# KiCad board ev17.kicad_pcb
title: Hactar PCB - Finn Berg, Brett Regnier; date: 2026-03-11; rev: EV17MK1; company: CISCO SYSTEMS INC
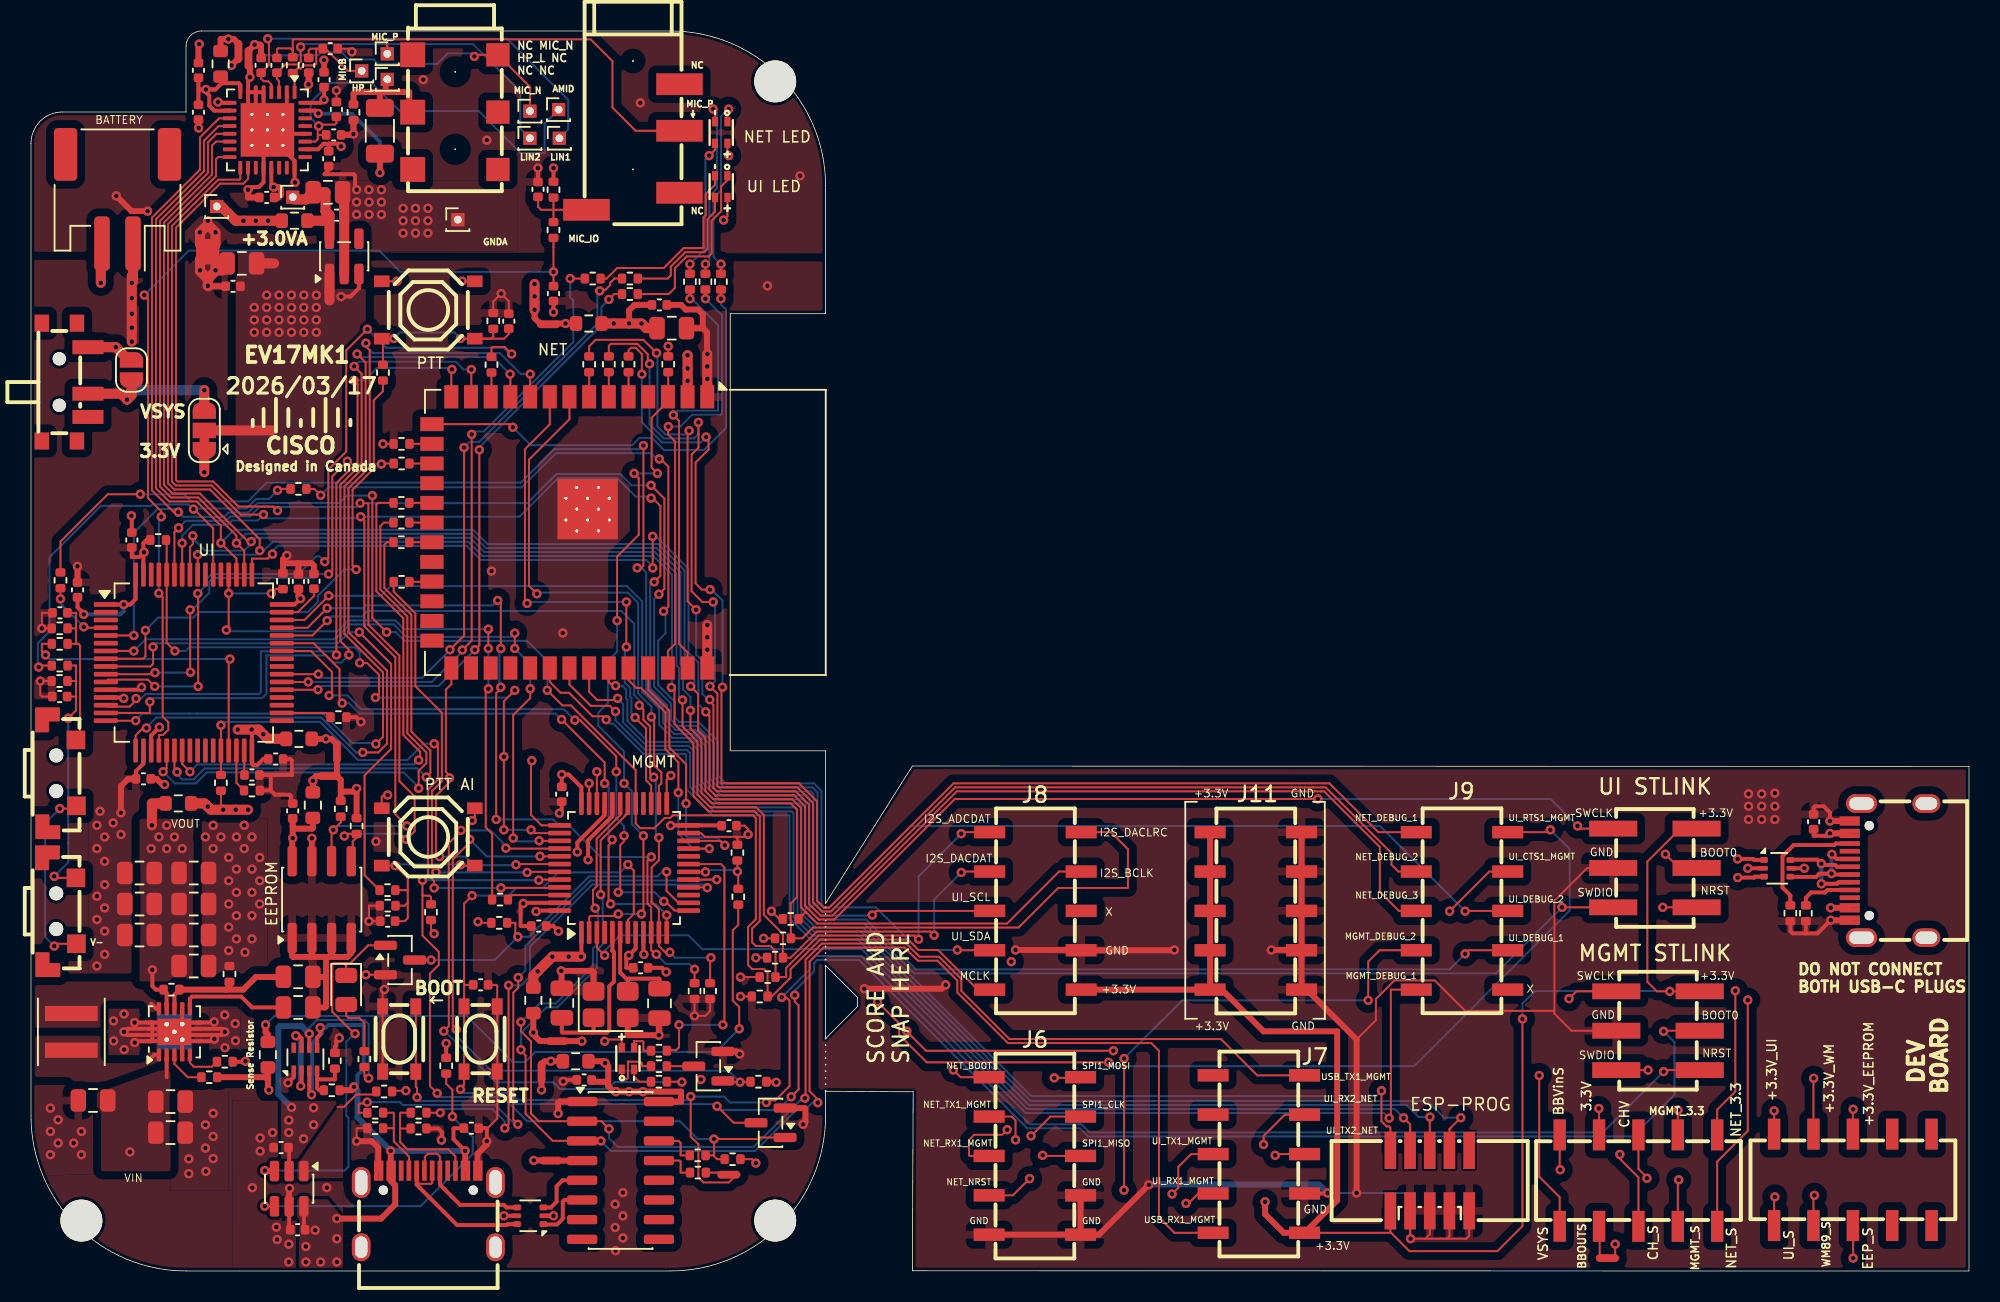
[diagram p0: board, top side]
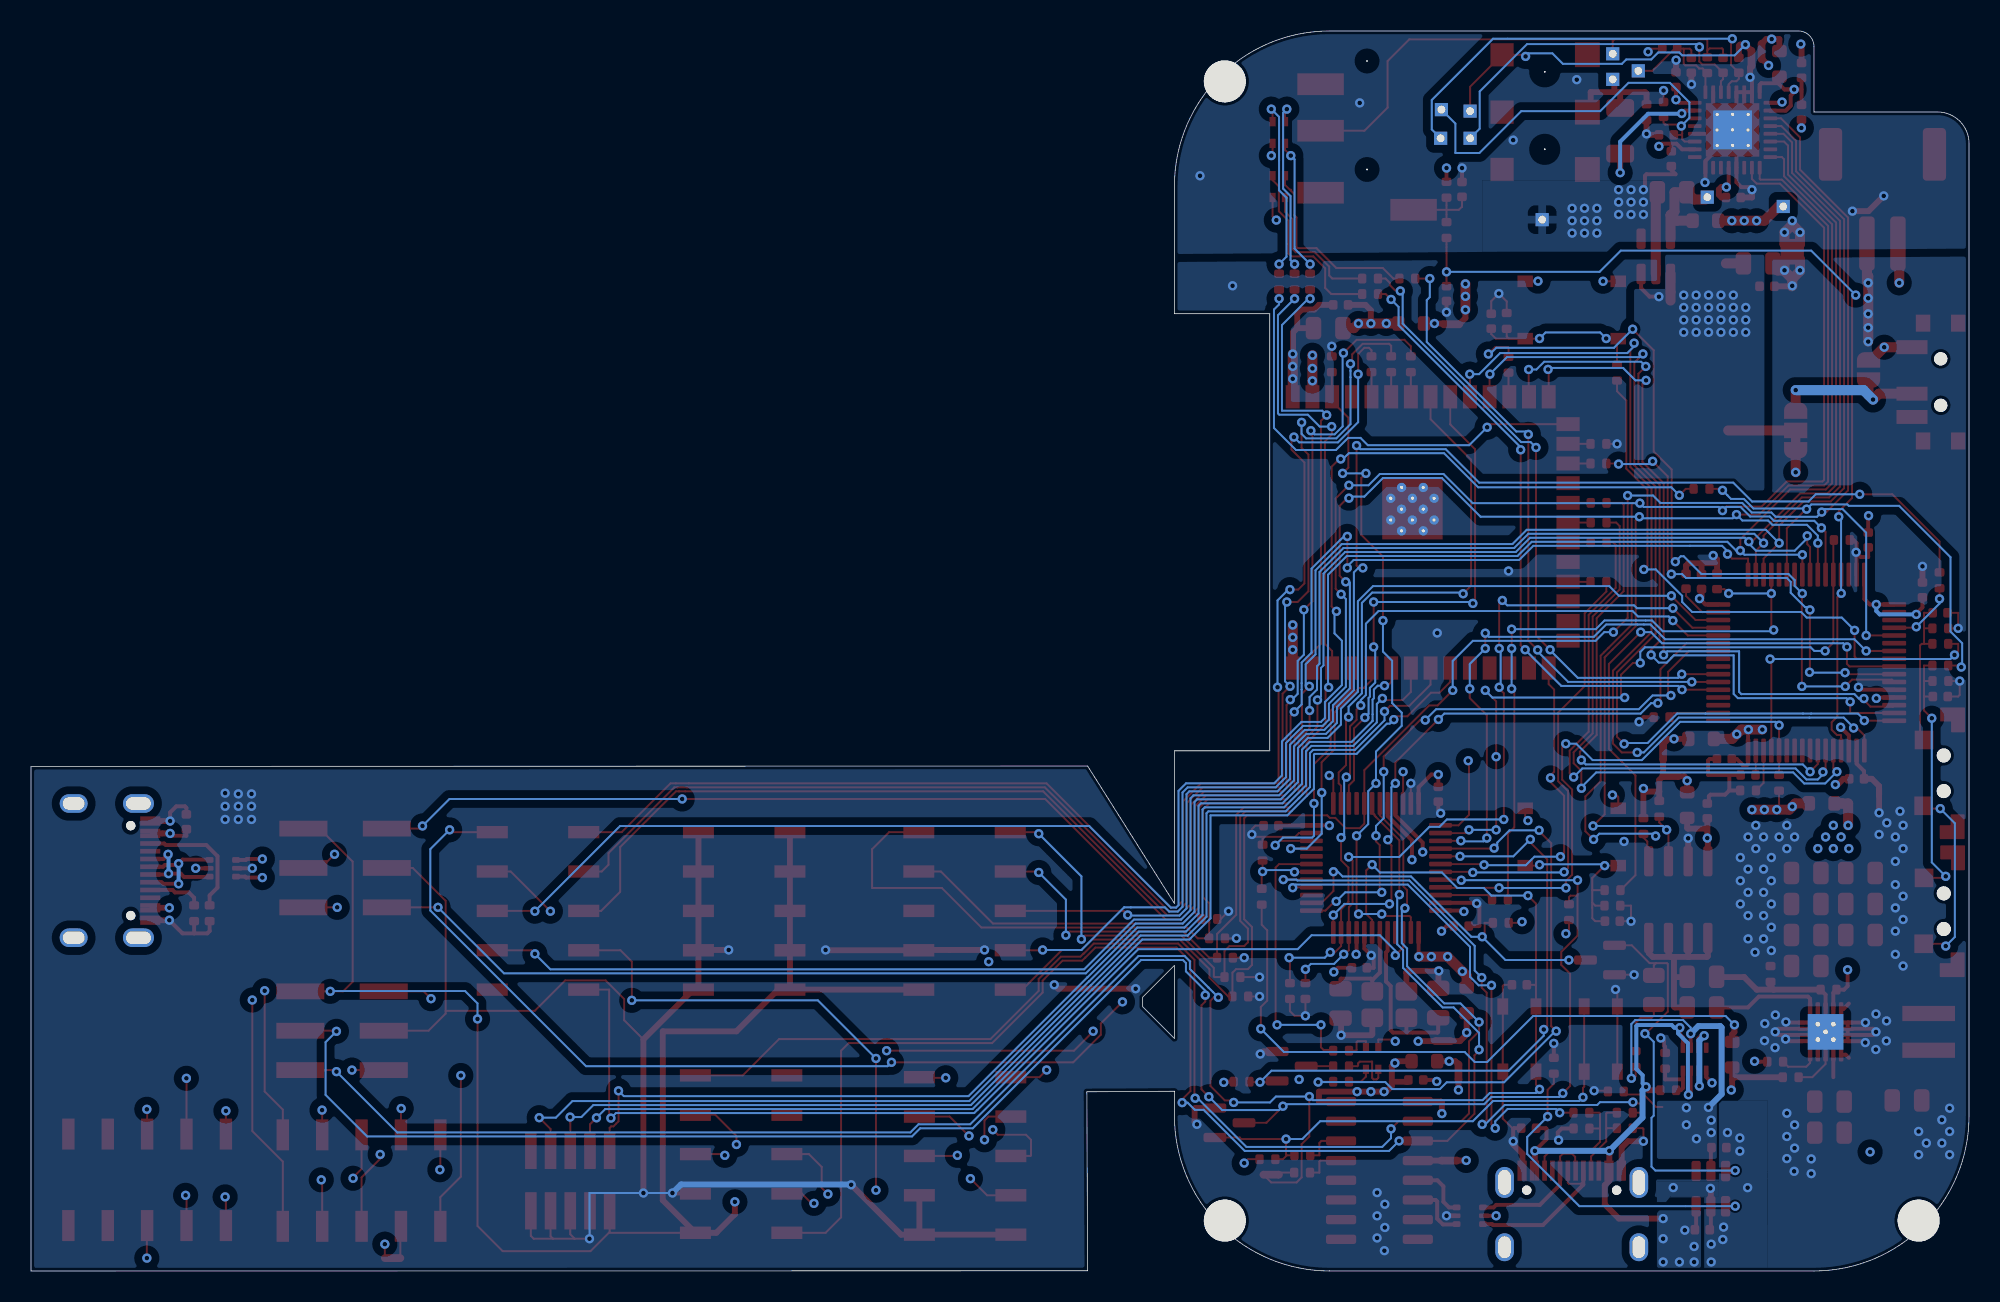
[diagram p1: board, bottom side, seen from below]

Outline 125 x 80 mm; copper layers: Top, In1.Cu (plane), In2.Cu (plane), In3.Cu, In4.Cu, Bottom. Coordinates in mm from the lower left corner of the outline.
Outline path: 51.25,70.05 arc(48.3,77.09) 41.25,80 11.01,80 arc(10.3,79.72) 10,79 10,74.78 2.02,74.78 arc(0.59,74.18) 0,72.75 0,10 arc(2.93,2.93) 10,0 41.25,0 arc(48.34,2.95) 51.25,10.04 51.25,11.6 56.9,11.56 56.85,0.02 125,0 ; 51.25,70.06 51.25,61.76 45.1,61.76 45.1,33.56 51.25,33.56 51.25,23.71 56.85,32.58 125,32.55 125,0 ; 51.25,15 51.25,19.71 53.3,17.66 53.3,17.05 51.25,15
Stack: Top 0.035mm / dielectric 0.1mm FR4 er 4.5 / In1.Cu 0.035mm / dielectric 0.535mm FR4 er 4.5 / In2.Cu 0.035mm / dielectric 0.1mm FR4 er 4.5 / In3.Cu 0.035mm / dielectric 0.535mm FR4 er 4.5 / In4.Cu 0.035mm / dielectric 0.1mm FR4 er 4.5 / Bottom 0.035mm

## Placement (name value [footprint] x y rotation side)
C1  100n  [C_0402_1005Metric]  39.32 19.56 0 top
C2  33p  [C_0805_2012Metric]  34.24 17.29 270 top
C3  33p  [C_0805_2012Metric]  40.54 17.26 90 top
C4  10u  [C_0402_1005Metric]  17.2 2.66 180 top
C5  10u  [C_0402_1005Metric]  28.4 9.21 0 top
C6  100n  [C_0402_1005Metric]  45.02 28.73 180 top
C7  1u  [C_0402_1005Metric]  13.03 63.53 180 top
C8  100n  [C_0402_1005Metric]  32.75 22.25 0 top
C9  100n  [C_0402_1005Metric]  34.23 30.76 90 top
C10  100n  [C_0805_2012Metric]  19.15 69.6 0 top
C11  100n  [C_0805_2012Metric]  13.6 65.01 180 top
C12  10u  [C_0402_1005Metric]  16.13 7.96 180 top
C13  100n  [C_0402_1005Metric]  35.68 12.33 180 top
C14  100n  [C_0805_2012Metric]  4 11 180 top
C15  10u  [C_0805_2012Metric]  9 10.93 0 top
C16  10u  [C_0805_2012Metric]  9 8.93 0 top
C17  100n  [C_0402_1005Metric]  29 18.46 0 top
C18  1u  [C_0402_1005Metric]  19.71 68.12 0 top
C19  100n  [C_0805_2012Metric]  17.23 17 0 top
C20  2p2  [C_0805_2012Metric]  17.23 18.98 0 top
C21  100n  [C_0402_1005Metric]  10.8 74.76 90 top
C22  100n  [C_0805_2012Metric]  10.5 19.68 0 top
C23  100n  [C_0402_1005Metric]  10.8 77.46 270 top
C24  22u  [C_0805_2012Metric]  10.5 21.68 0 top
C25  100n  [C_0402_1005Metric]  18.9 76.86 270 top
C26  4u7  [C_0402_1005Metric]  19.2 71.76 270 top
C27  22u  [C_0805_2012Metric]  10.5 23.68 0 top
C28  4u7  [C_0402_1005Metric]  15.2 69.26 180 top
C29  22u  [C_0805_2012Metric]  10.5 25.68 0 top
C30  22u  [C_0805_2012Metric]  7 21.68 180 top
C31  22u  [C_0805_2012Metric]  7 23.68 180 top
C32  1u  [C_0402_1005Metric]  14.84 77.79 90 top
C33  4u7  [C_0402_1005Metric]  19.52 73.3 0 top
C34  100u  [C_1206_3216Metric]  22.5 73.56 90 top
C35  22u  [C_0805_2012Metric]  7 25.68 180 top
C36  1u  [C_0402_1005Metric]  15.86 77.79 90 top
C37  4u7  [C_0402_1005Metric]  17.91 77.79 270 top
C38  100n  [C_0402_1005Metric]  16.88 29.68 270 top
C39  100n  [C_0402_1005Metric]  15.78 33.03 0 top
C40  100n  [C_0402_1005Metric]  3 43.94 90 top
C41  100n  [C_0402_1005Metric]  7.25 31.75 180 top
C42  100n  [C_0402_1005Metric]  6.5 47.16 270 top
C43  100n  [C_0402_1005Metric]  17.25 44.48 90 top
C44  2u2  [C_0402_1005Metric]  14.25 32 180 top
C45  2u2  [C_0402_1005Metric]  18.25 44.5 270 top
C46  100n  [C_0402_1005Metric]  30.81 61.28 90 top
C47  100n  [C_0402_1005Metric]  23 22.57 180 top
C48  100n  [C_0402_1005Metric]  19.3 78.86 0 top
C49  100n  [C_0402_1005Metric]  1.86 42.46 180 top
C50  100n  [C_0402_1005Metric]  1.85 37.06 180 top
C51  10u  [C_0805_2012Metric]  41.33 60.83 0 top
C52  100n  [C_0402_1005Metric]  40.53 62.33 0 top
C53  150n  [C_0402_1005Metric]  33.7 63.06 270 top
C54  220n  [C_0402_1005Metric]  32.7 69.78 90 top
C55  100n  [C_0402_1005Metric]  19.7 74.94 90 top
C56  10u  [C_0402_1005Metric]  114.98 28.98 90 top
CN1  Conn_05x02_Female  [IDC-SMD_10P-P1.27_X1270WVS-2X05B-6TV01]  90.22 5.83 0 top
CN2  PJ-242  [AUDIO-SMD_PJ-242D-SMT]  27.37 74.77 270 top
D1  LED  [D_0805_2012Metric]  20.33 18.13 270 top
D2  LED_BGAR  [LED-ARRAY-SMD_4P-L1.6-W1.5-TL_NH-B1515RGBA]  44.52 73.45 270 top
D3  LED_BGAR  [LED-ARRAY-SMD_4P-L1.6-W1.5-TL_NH-B1515RGBA]  44.52 69.96 270 top
D5  LED_BGAR  [LED-ARRAY-SMD_4P-L1.6-W1.5-TL_NH-B1515RGBA]  38.5 13.71 90 top
H2  MountingHole  [MountingHole_2.7mm_M2.5]  3.25 3.25 0 top
H3  MountingHole  [MountingHole_2.7mm_M2.5]  48 76.75 0 top
H4  MountingHole  [MountingHole_2.7mm_M2.5]  48 3.25 0 top
J1  USB_C_Receptacle  [USB-C_SMD-TYPE-C-31-M-12]  25.62 4 0 top
J2  Conn_01x02_Socket  [JST_PH_S2B-PH-SM4-TB_1x02-1MP_P2.00mm_Horizontal]  5.58 69.14 180 top
J3  AudioJack4  [AUDIO-SMD_PJ-320D]  38.83 72.52 0 top
J4  Conn_02x03_Odd_Even  [HDR-SMD_6P-P2.54-V-M-R2-C3-LS7.5-2]  104.94 15.5 90 top
J5  Conn_02x03_Odd_Even  [HDR-SMD_6P-P2.54-V-M-R2-C3-LS7.5-2]  104.74 26 90 top
J6  Conn_02x05_Counter_Clockwise  [HDR-SMD_10P-P2.54-V-F-R2-C5-LS7.1-1]  64.75 7.42 270 top
J7  Conn_02x05_Counter_Clockwise  [HDR-SMD_10P-P2.54-V-F-R2-C5-LS7.1-1]  79.2 7.54 90 top
J8  Conn_02x05_Counter_Clockwise  [HDR-SMD_10P-P2.54-V-F-R2-C5-LS7.1-1]  64.79 23.23 90 top
J9  Conn_02x05_Counter_Clockwise  [HDR-SMD_10P-P2.54-V-F-R2-C5-LS7.1-1]  92.3 23.23 90 top
J10  Conn_02x05_Counter_Clockwise  [HDR-SMD_10P-P2.54-V-F-R2-C5-LS7.1-1]  103.68 5.83 0 top
J11  Conn_02x05_Counter_Clockwise  [HDR-SMD_10P-P2.54-V-F-R2-C5-LS7.1-1]  79 23.23 270 top
J12  Conn_01x01  [PinHole_1.00mm]  22.98 78.53 0 top  (not fitted)
J13  Conn_01x01  [PinHole_1.00mm]  32.18 74.83 0 top  (not fitted)
J14  Conn_01x01  [PinHole_1.00mm]  21.33 77.43 0 top  (not fitted)
J15  Conn_01x01  [PinHole_1.00mm]  16.88 69.28 0 top  (not fitted)
J16  Conn_01x01  [PinHole_1.00mm]  34.08 73.08 0 top  (not fitted)
J17  Conn_01x01  [PinHole_1.00mm]  22.98 76.88 0 top  (not fitted)
J18  Conn_01x01  [PinHole_1.00mm]  32.18 73.08 0 top  (not fitted)
J19  Conn_01x01  [PinHole_1.00mm]  11.98 68.68 0 top  (not fitted)
J20  Conn_02x05_Counter_Clockwise  [HDR-SMD_10P-P2.54-V-F-R2-C5-LS7.1-1]  117.51 5.88 0 top
J21  Conn_01x01  [PinHole_1.00mm]  27.53 67.83 0 top  (not fitted)
J22  USB_C_Receptacle  [USB-C_SMD-TYPE-C-31-M-12]  119.78 25.83 90 top
J23  Conn_01x01  [PinHole_1.00mm]  34.03 74.93 0 top  (not fitted)
JP1  SolderJumper_2_Open  [SolderJumper-2_P1.3mm_Open_RoundedPad1.0x1.5mm]  6.48 58.13 270 top
JP2  SolderJumper_2_Bridged  [NetTie-2_SMD_Pad0.5mm]  14.03 78.23 270 top
JP3  SolderJumper_3_Bridged12  [SolderJumper-3_P1.3mm_Bridged12_RoundedPad1.0x1.5mm]  11.18 54.23 90 top
L2  1.5uH  [L_Coilcraft_XxL4020]  2.6 15.43 90 top
NT1  NetTie_4  [NetTie-4_SMD_Pad0.5mm]  11.4 65.76 90 top
NT2  NetTie_2  [NetTie-2_SMD_Pad0.5mm]  33.53 7.12 180 top
NT3  NetTie_2  [NetTie-2_SMD_Pad0.5mm]  45.01 6.21 0 top
NT4  NetTie_2  [NetTie-2_SMD_Pad0.5mm]  101.68 0.83 0 top
NT5  NetTie_2  [NetTie-2_SMD_Pad0.5mm]  32.93 12.83 90 top
NT6  NetTie_2  [NetTie-2_SMD_Pad0.5mm]  33.93 14.83 180 top
NT7  NetTie_2  [NetTie-2_SMD_Pad0.5mm]  33.38 61.08 0 top
NT8  NetTie_2  [NetTie-2_SMD_Pad0.5mm]  19.73 33.48 90 top
NT9  NetTie_2  [NetTie-2_SMD_Pad0.5mm]  13.38 78.68 90 top
NT10  NetTie_2  [NetTie-2_SMD_Pad0.5mm]  19.23 31.93 180 top
Q1  2N7002  [SOT-23]  43.69 13.21 180 top
Q2  2N7002  [SOT-23]  23.8 20.06 0 top
Q3  2N7002  [SOT-23]  47.7 9.56 180 top
R1  1k0  [R_0402_1005Metric]  26.78 13.24 90 top
R2  5k1  [R_0402_1005Metric]  113.48 23.08 90 top
R3  47k  [R_0402_1005Metric]  30.2 22.46 180 top
R4  1k0  [R_0402_1005Metric]  23.9 44.46 0 top
R5  1k0  [R_0402_1005Metric]  30.25 23.96 180 top
R6  10k  [R_0402_1005Metric]  22.78 11.58 0 top
R7  5k1  [R_0402_1005Metric]  24.99 9.19 180 top
R8  5k1  [R_0402_1005Metric]  22.2 9.21 0 top
R9  1k0  [R_0402_1005Metric]  25 10.21 180 top
R10  1k0  [R_0402_1005Metric]  22.2 10.21 0 top
R11  1k5  [R_0402_1005Metric]  21.5 13.67 90 top
R12  10k  [R_0402_1005Metric]  45.62 24.15 270 top
R13  15k  [R_0402_1005Metric]  45.56 26.99 90 top
R14  0R1  [R_0603_1608Metric]  15.28 13.96 270 top
R15  180R  [R_0402_1005Metric]  40.5 14.21 0 top
R16  1k5  [R_0402_1005Metric]  19.98 29.82 270 top
R17  1k0  [R_0402_1005Metric]  1.85 40.46 0 top
R18  100k  [R_0402_1005Metric]  11.5 12.5 180 top
R19  1k5  [R_0402_1005Metric]  21 28.71 270 top
R20  150R  [R_0402_1005Metric]  40.5 13.21 0 top
R21  150R  [R_0402_1005Metric]  40.5 12.21 0 top
R22  4k7  [R_0402_1005Metric]  25.8 23.15 270 top
R23  4k7  [R_0402_1005Metric]  1.85 41.46 0 top
R24  1k0  [R_0402_1005Metric]  1.85 39.06 0 top
R25  47k  [R_0402_1005Metric]  46.92 12.21 0 top
R26  360k  [R_0402_1005Metric]  9.06 18.15 180 top
R27  64k9  [R_0402_1005Metric]  12.8 19.16 270 top
R28  100k  [R_0402_1005Metric]  12.5 13.5 0 top
R29  15k  [R_0402_1005Metric]  41.1 58.5 90 top
R30  4k7  [R_0402_1005Metric]  23.9 53.36 180 top
R31  2k2  [R_0402_1005Metric]  16.88 77.8 270 top
R32  100k  [R_0402_1005Metric]  20.8 74.76 90 top
R33  180R  [R_0402_1005Metric]  42.5 63.83 90 top
R34  150R  [R_0402_1005Metric]  44.5 63.83 90 top
R35  150R  [R_0402_1005Metric]  43.5 63.83 90 top
R36  10k  [R_0402_1005Metric]  33.7 69.76 90 top
R37  4k7  [R_0402_1005Metric]  1.84 38.06 0 top
R38  4k7  [R_0402_1005Metric]  43.8 18.06 90 top
R39  4k7  [R_0402_1005Metric]  42.8 18.06 90 top
R40  1k0  [R_0402_1005Metric]  43.02 6.35 180 top
R41  4k7  [R_0402_1005Metric]  12.25 31.5 90 top
R42  4k7  [R_0402_1005Metric]  14.25 31 180 top
R43  4k7  [R_0402_1005Metric]  19.83 35.73 180 top
R44  1k0  [R_0402_1005Metric]  23.89 48.29 0 top
R45  1k0  [R_0402_1005Metric]  23.89 47.02 0 top
R46  1k0  [R_0402_1005Metric]  23.89 49.56 0 top
R47  10k  [R_0402_1005Metric]  19.6 13.56 270 top
R48  0R1  [R_0603_1608Metric]  9.5 30.17 0 top
R49  1k0  [R_0402_1005Metric]  23.9 52.1 180 top
R50  1k0  [R_0402_1005Metric]  29.7 58.47 90 top
R51  4k7  [R_0402_1005Metric]  43 7.46 0 top
R52  0R1  [R_0603_1608Metric]  17 67.76 180 top
R53  15k  [R_0402_1005Metric]  19.4 11.66 0 top
R54  4k7  [R_0402_1005Metric]  16.25 44.5 270 top
R55  4k7  [R_0402_1005Metric]  8.2 47.16 180 top
R56  180R  [R_0402_1005Metric]  38.63 64.03 0 top
R57  1k0  [R_0402_1005Metric]  22.7 57.96 90 top
R58  1k0  [R_0402_1005Metric]  22.99 24.57 0 top
R59  150R  [R_0402_1005Metric]  38.63 63.03 0 top
R60  150R  [R_0402_1005Metric]  36.23 64.03 0 top
R61  4k7  [R_0402_1005Metric]  29.82 61.3 270 top
R62  4k7  [R_0402_1005Metric]  23 23.57 0 top
R63  0R1  [R_0603_1608Metric]  12.23 77.88 270 top
R64  47k  [R_0402_1005Metric]  47 17.71 180 top
R65  5k1  [R_0402_1005Metric]  114.48 23.08 90 top
R66  4k7  [R_0402_1005Metric]  47.51 18.96 180 top
R67  4k7  [R_0402_1005Metric]  48.5 21.46 180 top
R68  4k7  [R_0402_1005Metric]  47.99 20.21 180 top
R69  4k7  [R_0402_1005Metric]  49 22.71 180 top
R70  1k0  [R_0402_1005Metric]  38.54 58.5 90 top
R71  1k0  [R_0402_1005Metric]  37.27 58.5 90 top
R72  1k0  [R_0402_1005Metric]  36 58.5 90 top
R73  1k0  [R_0402_1005Metric]  17.25 50.46 180 top
R74  1k0  [R_0402_1005Metric]  1.9 44.56 270 top
R75  100k  [R_0402_1005Metric]  45.25 7.21 0 top
R76  0R1  [R_0603_1608Metric]  35.98 61.13 0 top
R77  0R1  [R_0603_1608Metric]  32.4 17.46 90 top
R78  0R1  [R_0603_1608Metric]  17.28 34.33 180 top
R79  0R1  [R_0603_1608Metric]  18.18 30.06 270 top
R80  0R1  [R_0603_1608Metric]  35.13 13.53 0 top
R81  10k  [R_0402_1005Metric]  33.7 67.16 270 top
SW1  SW_SPDT  [SW-SMD_MK-12C02-G020]  2.18 57.35 270 top
SW2  SW_Push  [KEY-SMD_4P-L4.2-W3.2-P2.20-LS4.6]  23.75 14.96 90 top
SW3  SW_Push  [KEY-SMD_4P-L4.2-W3.2-P2.20-LS4.6]  29 14.96 90 top
SW4  SW_Push  [SW-SMD_4P-L5.1-W5.1-P3.70-LS6.5-TL_H1.5]  25.62 62 0 top
SW5  SW_Push  [SW-SMD_4P-L5.1-W5.1-P3.70-LS6.5-TL_H1.5]  25.62 28 0 top
SW6  SW_Push  [SW-SMD_SHOU_TS36CA-0.6]  1.99 32.11 270 top
SW7  SW_Push  [SW-SMD_SHOU_TS36CA-0.6]  1.99 23.21 270 top
U1  BQ21040DBV  [SOT-23-6]  16.65 5.31 270 top
U2  USBLC6-2P6  [SOT-666]  32.2 3.56 180 top
U3  STM32F072CBTx  [LQFP-48_7x7mm_P0.5mm]  38.25 26 90 top
U4  CH340C  [SOIC-16_3.9x9.9mm_P1.27mm]  38.03 6.49 0 top
U5  TPS63060  [Texas_S-PWSON-N10_ThermalVias]  9.25 15.43 90 top
U6  WM8960CGEFL/RV  [QFN-32-1EP_5x5mm_P0.5mm_EP3.45x3.45mm_ThermalVias]  15.25 73.62 270 top
U7  -  [ESP32-S3-WROOM-1]  38.36 47.65 270 top
U8  M24C02-RMN6TP  [SOIC-8_3.9x4.9mm_P1.27mm]  18.75 23.96 90 top
U9  TPS2116DRL  [SOT-583-8]  17.7 13.66 90 top
U10  STM32F405RGTx  [LQFP-64_10x10mm_P0.5mm]  10.5 39.25 0 top
U11  USBLC6-2P6  [SOT-666]  112.63 25.98 0 top
U12  XC6227C301MR-G  [SOT-23-5]  20.2 65.46 90 top
Y1  Crystal_GND24  [Crystal_SMD_3225-4Pin_3.2x2.5mm]  37.39 17.19 0 top

## Library data of the parts
C1 C6 C8 C9 C13 C17 C21 C23 C25 C38-C43 C46 C47 C49 C50 C52 = -: Description: Unpolarized capacitor, small symbol; JLCPCB Part #: C1525; ki_fp_filters: C_*
C2 C3 = -: Description: Unpolarized capacitor, small symbol; JLCPCB Part #: C107115; ki_fp_filters: C_*
C4 C5 C12 C56 = -: Description: Unpolarized capacitor, small symbol; JLCPCB Part #: C307415; ki_fp_filters: C_*
C7 C18 C32 C36 = -: Description: Unpolarized capacitor, small symbol; JLCPCB Part #: C52923; ki_fp_filters: C_*
C10 C11 C14 C19 C22 = -: Description: Unpolarized capacitor, small symbol; JLCPCB Part #: C85866; ki_fp_filters: C_*
C15 C16 C51 = -: Description: Unpolarized capacitor, small symbol; JLCPCB Part #: C87157; ki_fp_filters: C_*
C20 = -: Description: Unpolarized capacitor, small symbol; JLCPCB Part #: C519933; ki_fp_filters: C_*
C24 C27 C29-C31 C35 = -: Description: Unpolarized capacitor, small symbol; JLCPCB Part #: C5674; ki_fp_filters: C_*
C26 C28 C33 C37 = -: Description: Unpolarized capacitor, small symbol; JLCPCB Part #: C23733; ki_fp_filters: C_*
C34 = -: Description: Unpolarized capacitor, small symbol; JLCPCB Part #: C15008; ki_fp_filters: C_*
C44 C45 = -: Description: Unpolarized capacitor, small symbol; JLCPCB Part #: C12530; ki_fp_filters: C_*
C48 C55 = -: Description: Unpolarized capacitor, small symbol; JLCPCB Part #: C307331; ki_fp_filters: C_*
C53 = -: Description: Unpolarized capacitor, small symbol; JLCPCB Part #: C505466; ki_fp_filters: C_*
C54 = -: Description: Unpolarized capacitor, small symbol; JLCPCB Part #: C16772; ki_fp_filters: C_*
CN1 = -: Description: Generic connector, double row, 02x05, odd/even pin numbering scheme (row 1 odd numbers, row 2 even numbers), script generated (kicad-library-utils/schlib/autogen/connector/); JLCPCB Part #: C2962222; ki_fp_filters: Connector*:*_2x??_*
CN2 = -: Datasheet: https://lcsc.com/product-detail/Audio-Video-Connectors_SHOU-HAN-PJ-242_C431536.html; JLCPCB Part #: C431536; FT Rotation Offset: 90
D1 = -: Description: Light emitting diode; JLCPCB Part #: C130114; Sim.Pins: 1=K 2=A; ki_fp_filters: LED* LED_SMD:* LED_THT:*
D2 D3 D5 = -: Description: RGB LED, red/anode/blue/green; JLCPCB Part #: C2874115; ki_fp_filters: LED* LED_SMD:* LED_THT:*
H2-H4 = -: Description: Mounting Hole without connection; ki_fp_filters: MountingHole*
J1 J22 = -: Datasheet: https://www.usb.org/sites/default/files/documents/usb_type-c.zip; Description: USB 2.0-only 16P Type-C Receptacle connector; JLCPCB Part #: C165948; ki_fp_filters: USB*C*Receptacle*
J2 = -: Description: Generic connector, single row, 01x02, script generated; JLCPCB Part #: C295747; FT Rotation Offset: 180; ki_fp_filters: Connector*:*_1x??_*
J3 = -: Description: Audio Jack, 4 Poles (TRRS); JLCPCB Part #: C431535; FT Rotation Offset: -90; ki_fp_filters: Jack*
J4 J5 = -: Description: Generic connector, double row, 02x03, odd/even pin numbering scheme (row 1 odd numbers, row 2 even numbers), script generated (kicad-library-utils/schlib/autogen/connector/); JLCPCB Part #: C3294461; ki_fp_filters: Connector*:*_2x??_*
J6-J11 J20 = -: Description: Generic connector, double row, 02x05, counter clockwise pin numbering scheme (similar to DIP package numbering), script generated (kicad-library-utils/schlib/autogen/connector/); JLCPCB Part #: C3975150; ki_fp_filters: Connector*:*_2x??_*
J12-J19 J21 J23 = -: Description: Generic connector, single row, 01x01, script generated (kicad-library-utils/schlib/autogen/connector/); ki_fp_filters: Connector*:*_1x??_*
JP1 = -: Description: Solder Jumper, 2-pole, open; ki_fp_filters: SolderJumper*Open*
JP2 = -: Description: Solder Jumper, 2-pole, closed/bridged; ki_fp_filters: SolderJumper*Bridged*
JP3 = -: Description: 3-pole Solder Jumper, pins 1+2 closed/bridged; ki_fp_filters: SolderJumper*Bridged12*
L2 = -: Description: Inductor; JLCPCB Part #: C3033018; ki_fp_filters: Choke_* *Coil* Inductor_* L_*
NT1 = -: Description: Net tie, 4 pins; ki_fp_filters: Net*Tie*
NT2-NT10 = -: Description: Net tie, 2 pins; ki_fp_filters: Net*Tie*
Q1-Q3 = -: Datasheet: https://www.onsemi.com/pub/Collateral/NDS7002A-D.PDF; Description: 0.115A Id, 60V Vds, N-Channel MOSFET, SOT-23; JLCPCB Part #: C8545; ki_fp_filters: SOT?23*
R1 R4 R5 R40 R44-R46 R49 R50 R57 R58 R70-R74 = -: Description: Resistor, US symbol; JLCPCB Part #: C11702; ki_fp_filters: R_*
R2 R7 R8 R65 = -: Description: Resistor, small US symbol; JLCPCB Part #: C25905; ki_fp_filters: R_*
R3 R25 R64 = -: Description: Resistor, small US symbol; JLCPCB Part #: C25792; ki_fp_filters: R_*
R6 R36 R81 = -: Description: Resistor, US symbol; JLCPCB Part #: C25744; ki_fp_filters: R_*
R9 R10 R17 R24 = -: Description: Resistor, small US symbol; JLCPCB Part #: C11702; ki_fp_filters: R_*
R11 R16 R19 = -: Description: Resistor, US symbol; JLCPCB Part #: C25867; ki_fp_filters: R_*
R12 R47 = -: Description: Resistor, small US symbol; JLCPCB Part #: C25744; ki_fp_filters: R_*
R13 R29 = -: Description: Resistor, US symbol; JLCPCB Part #: C25756; ki_fp_filters: R_*
R14 R48 R52 R63 R76-R80 = -: Description: Resistor, US symbol; JLCPCB Part #: C111027; ki_fp_filters: R_*
R15 R33 R56 = -: Description: Resistor, US symbol; JLCPCB Part #: C25087; ki_fp_filters: R_*
R18 R28 R32 R75 = -: Description: Resistor, US symbol; JLCPCB Part #: C25741; ki_fp_filters: R_*
R20 R21 R34 R35 R59 R60 = -: Description: Resistor, US symbol; JLCPCB Part #: C25082; ki_fp_filters: R_*
R22 R30 R38 R39 R41-R43 R51 R54 R61 R62 R66-R69 = -: Description: Resistor, US symbol; JLCPCB Part #: C25900; ki_fp_filters: R_*
R23 R37 R55 = -: Description: Resistor, small US symbol; JLCPCB Part #: C25900; ki_fp_filters: R_*
R26 = -: Description: Resistor, US symbol; JLCPCB Part #: C45956; ki_fp_filters: R_*
R27 = -: Description: Resistor, US symbol; JLCPCB Part #: C26984; ki_fp_filters: R_*
R31 = -: Description: Resistor, small US symbol; JLCPCB Part #: C25879; ki_fp_filters: R_*
R53 = -: Description: Resistor, small US symbol; JLCPCB Part #: C25756; ki_fp_filters: R_*
SW1 = -: Description: Switch, single pole double throw; JLCPCB Part #: C963206
SW2 SW3 = -: Description: Push button switch, generic, two pins; JLCPCB Part #: C139797
SW4 SW5 = -: Description: Push button switch, generic, two pins; JLCPCB Part #: C318886
SW6 SW7 = -: Description: Push button switch, generic, two pins; JLCPCB Part #: C2906288
U1 = -: Datasheet: https://www.ti.com/lit/ds/symlink/bq21040.pdf; Description: Single cell, 0.8A Li-Ion/Li-Po linear charge management controller, up to 30V input, 4.2V charge voltage, Open-Drain Status Output, Temperature sense input, SOT-23-6; JLCPCB Part #: C202311; ki_fp_filters: SOT?23*
U2 U11 = -: Datasheet: https://www.st.com/resource/en/datasheet/usblc6-2.pdf; Description: Very low capacitance ESD protection diode, 2 data-line, SOT-666; JLCPCB Part #: C2827693; FT Rotation Offset: 270; ki_fp_filters: SOT?666*
U3 = -: Datasheet: https://www.st.com/resource/en/datasheet/stm32f072c8.pdf; Description: STMicroelectronics Arm Cortex-M0 MCU, 64KB flash, 16KB RAM, 48 MHz, 2.0-3.6V, 37 GPIO, LQFP48; JLCPCB Part #: C80488; ki_fp_filters: LQFP*7x7mm*P0.5mm*
U4 = -: Datasheet: https://datasheet.lcsc.com/szlcsc/Jiangsu-Qin-Heng-CH340C_C84681.pdf; Description: USB serial converter, crystal-less, UART, SOIC-16; JLCPCB Part #: C84681; ki_fp_filters: SOIC*3.9x9.9mm*P1.27mm*
U5 = -: Datasheet: http://www.ti.com/lit/ds/symlink/tps63060.pdf; Description: Buck-Boost Converter, 2.5-12V Input Voltage, 2-A Switch Current, Adjustable 2.5-8V Output Voltage, S-PWSON-N10; JLCPCB Part #: C48567; FT Rotation Offset: 270; ki_fp_filters: Texas*S*PWSON*N10*
U6 = -: JLCPCB Part #: C18752; FT Rotation Offset: -90
U7 = -: Datasheet: https://www.espressif.com/sites/default/files/documentation/esp32-s3-wroom-1_wroom-1u_datasheet_en.pdf; Description: RF Module, ESP32-S3 SoC, Wi-Fi 802.11b/g/n, Bluetooth, BLE, 32-bit, 3.3V, onboard antenna, SMD; JLCPCB Part #: C2913204; FT Position Offset: 0, -3.6195; ki_fp_filters: ESP32?S3?WROOM?1*
U8 = -: Datasheet: http://www.st.com/content/ccc/resource/technical/document/datasheet/b0/d8/50/40/5a/85/49/6f/DM00071904.pdf/files/DM00071904.pdf/jcr:content/translations/en.DM00071904.pdf; Description: 2Kb (256x8) I2C Serial EEPROM, 1.8-5.5V, SOIC-8; JLCPCB Part #: C83836; ki_fp_filters: SOIC*3.9x4.9mm*P1.27mm*
U9 = -: Datasheet: https://www.ti.com/lit/ds/symlink/tps2116.pdf; Description: 2 Channnels Power Mux with Manual and Priority Switchover, 1.6-5.5V Input Voltage, 2.5A Output Current, Ron 40 mOhm, SOT-583-8; JLCPCB Part #: C3235557; ki_fp_filters: SOT?5?3*